# Altium PCB VFD-Clock.PcbDoc (part 2 of 2)
Units mm, origin at the board's own origin, x right, y up, seen from the top; angles counter-clockwise.
Board outline 190 x 65 mm, 2 copper layers (Top Layer, Bottom Layer); 129 components, 178 nets, 743 pads, 391 vias.
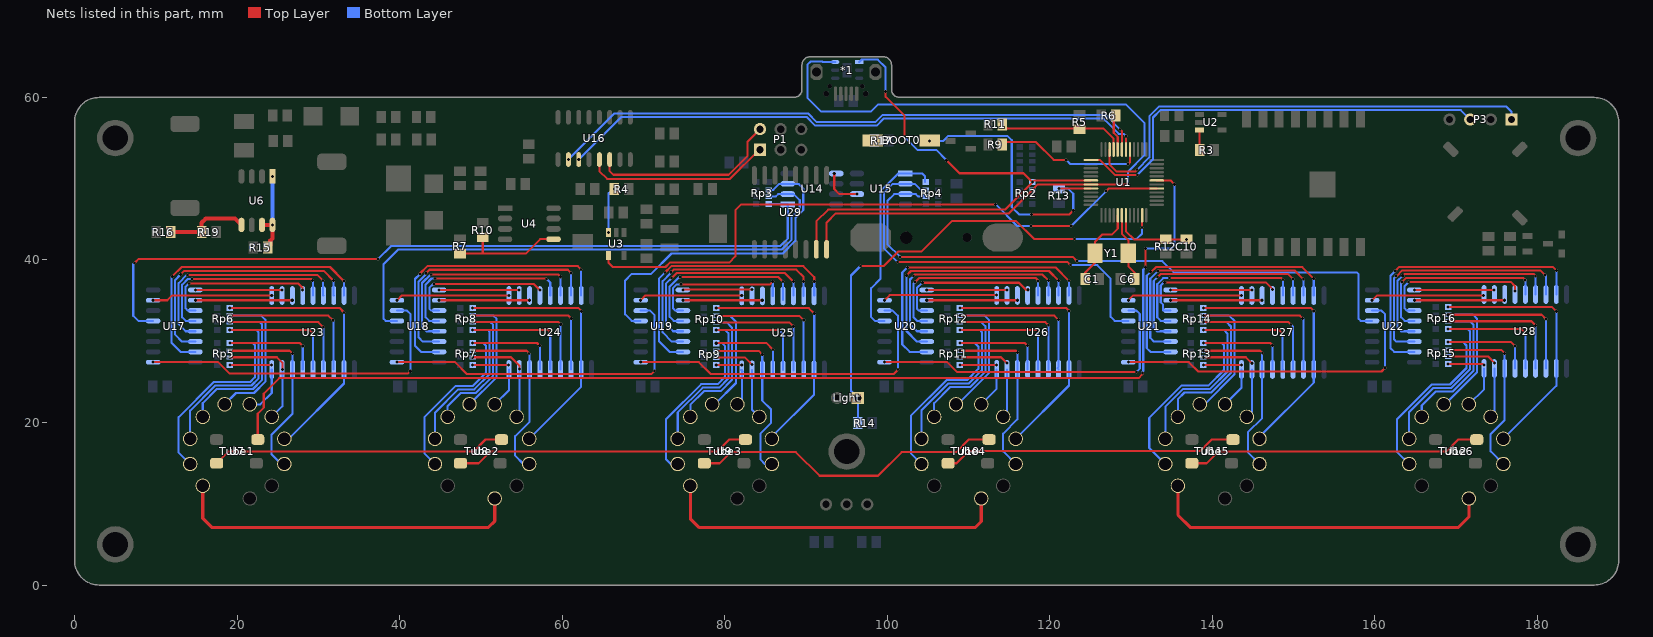
[diagram p2: the nets of this part, all layers, seen from the top]

## Via types
v1: diameter 0.381, hole 0.381, Top Layer to Bottom Layer, 285 vias
v2: diameter 0.635, hole 0.508, Top Layer to Bottom Layer, 58 vias
v3: diameter 0.508, hole 0.381, Top Layer to Bottom Layer, 42 vias
v4: diameter 0.508, hole 0.508, Top Layer to Bottom Layer, 5 vias
v5: diameter 0.635, hole 0.635, Top Layer to Bottom Layer, 1 vias

## Nets (pads, with @x,y where several pads share a name; then routed paths per layer and width w, separated by ;. In a path a pad name is that pad's centre, name@x,y a point inside that pad or via, vN(x,y) a via of type N, cw(c..) or ccw(c..) an arc to the next point about the centre after c; other vN are vias at no path point) (continued)
NetR3_1: R3.1 U2.3 | length 2.5
  Top Layer w0.254: U2.3@138.405,55.982 138.405,53.542 R3.1@138.429,53.518
NetR4_1: R4.1 U3.3 | length 5.9
  Bottom Layer w0.254: v3(65.701,43.371) 65.701,48.213 v3@66.421,48.934
  other v3: 66.421,48.731
NetR7_1: R7.1 R10.2 U4.5 | length 14.3
  Top Layer w0.254: R7.1@47.423,40.779 50.217,40.779 ; R10.2@50.217,42.794 50.217,40.779 ; U4.5@58.932,42.555 57.274,42.555 55.499,40.779 50.217,40.779
NetR13_2: BOOT0.2 R13.2 U1.44 | length 35
  Top Layer w0.254: v1(117.729,45.593) 122.377,45.593 v1(122.885,46.101) ; v1(121.134,48.782) 121.145,48.793 U1.44@125.059,48.793
  Bottom Layer w0.254: v3(105.181,54.635) 106.866,54.635 107.502,55.271 114.782,55.271 115.316,54.737 115.316,46.507 116.23,45.593 v1(117.729,45.593) ; v1(121.134,48.782) 122.249,48.782 122.885,48.146 v1(122.885,46.101)
NetR15_1: R15.1 U6.1 U6.7 U6.8 | length 10.3
  Top Layer w0.254: U6.8@24.334,43.932 v3(24.334,44.311)
  Top Layer w0.508: U6.7@23.064,44.311 v3(24.334,44.311) ; R15.1@23.75,41.528 24.076,41.854 24.076,42.401 24.334,42.659 U6.8@24.334,43.932
  Bottom Layer w0.508: v3(24.334,44.311) v3(24.334,50.283)
NetR16_1: R16.1 R19.2 U6.5 | length 10.4
  Top Layer w0.508: R16.1@11.812,43.434 R19.2@15.62,43.434 15.62,44.576 16.139,45.095 19.741,45.095 U6.5@20.524,44.311
NetR17_1: BOOT0.1 R17.1
  other v1: 98.552,54.635
NetTube1_11: Tube1.11 Tube2.1 | length 43.5
  Top Layer w0.381: Tube1.11@15.764,12.201 15.764,8.203 16.867,7.1 50.929,7.1 51.691,7.862 Tube2.1@51.691,10.648
NetTube3_11: Tube3.11 Tube4.1 | length 43.4
  Top Layer w0.381: Tube3.11@75.764,12.201 75.764,8.147 76.811,7.1 110.847,7.1 111.559,7.812 Tube4.1@111.559,10.648
NetTube5_11: Tube5.11 Tube6.1 | length 42.8
  Top Layer w0.381: Tube5.11@135.764,12.201 135.764,8.599 137.263,7.1 170.283,7.1 171.559,8.376 Tube6.1@171.559,10.648
NetU7_2: U7.2 U8.4 | length 36.3
  Top Layer w0.254: U7.2@17.479,14.984 18.917,16.422 49.074,16.422 50.557,17.905 U8.4@52.534,17.905
NetU8_2: U8.2 U9.4 | length 36.3
  Top Layer w0.254: U8.2@47.479,14.984 49.719,14.984 51.157,16.422 79.046,16.422 80.529,17.905 U9.4@82.534,17.905
NetU9_2: U9.2 U10.4 | length 38.7
  Top Layer w0.254: U9.2@77.479,14.984 79.36,14.984 80.734,16.358 88.758,16.358 91.665,13.45 98.855,13.45 101.763,16.358 108.471,16.358 110.018,17.905 U10.4@112.534,17.905
NetU10_2: U10.2 U11.4 | length 36.3
  Top Layer w0.254: U10.2@107.479,14.984 108.52,14.984 110.009,16.473 138.482,16.473 139.914,17.905 U11.4@142.534,17.905
NetU11_2: U11.2 U12.4 | length 36.3
  Top Layer w0.254: U11.2@137.479,14.984 139.288,14.984 140.726,16.422 168.759,16.422 170.242,17.905 U12.4@172.534,17.905
NetU14_5: U14.5 U15.6 | length 5
  Top Layer w0.254: v1(93.473,50.643) 93.473,48.731 94.101,48.103 v1(96.264,48.103)
NetU17_1: U17.1 U23.2 | length 10.6
  Top Layer w0.254: v1(14.857,36.31) v1(25.503,36.31)
NetU17_2: U17.2 U23.3 | length 11.9
  Top Layer w0.254: v1(14.857,35.04) v1(26.773,35.04)
NetU17_3: U17.3 U23.4 | length 19
  Top Layer w0.254: v1(14.073,37.123) 27.484,37.123 28.043,36.564 v1(28.043,36.31)
  Bottom Layer w0.254: v1(14.073,37.123) 13.652,36.702 13.652,34.049 13.931,33.77 U17.3@14.857,33.77
NetU17_4: U17.4 U23.5 | length 24.1
  Top Layer w0.254: v1(14.428,37.656) 29.084,37.656 v1(29.287,37.453)
  Bottom Layer w0.254: v1(14.428,37.656) 13.906,37.656 13.22,36.97 13.22,32.933 13.653,32.5 U17.4@14.857,32.5 ; v1(29.287,37.453) 29.338,37.402 U23.5@29.338,35.628
NetU17_5: U17.5 U23.6 | length 27.8
  Top Layer w0.254: v1(13.895,38.164) 29.872,38.164 v1(30.583,37.453)
  Bottom Layer w0.254: v1(13.895,38.164) 13.803,38.164 12.788,37.149 12.788,32.094 13.653,31.23 U17.5@14.857,31.23 ; v1(30.583,37.453) 30.583,35.653 U23.6@30.608,35.628
NetU17_6: U17.6 U23.7 | length 31.9
  Top Layer w0.254: v1(13.057,38.215) 13.057,38.24 13.476,38.659 30.646,38.659 v1(31.853,37.453)
  Bottom Layer w0.254: v1(13.057,38.215) 13.031,38.215 12.356,37.54 12.356,30.813 13.209,29.96 U17.6@14.857,29.96 ; v1(31.853,37.453) 31.853,35.704 31.904,35.653 U23.7@31.878,35.628
NetU17_7: U17.7 U23.8 | length 35.7
  Top Layer w0.254: v1(12.015,37.986) 13.158,39.129 31.421,39.129 v1(33.136,37.415)
  Bottom Layer w0.254: v1(12.015,37.986) 11.924,37.895 11.924,29.797 13.031,28.69 U17.7@14.857,28.69 ; v1(33.136,37.415) 33.136,35.64 U23.8@33.148,35.628
NetU17_15: U17.15 U23.1 | length 14.9
  Top Layer w0.254: v1(9.656,35.04) 11.406,35.04 12.015,35.65 v1(24.258,35.65)
NetU18_1: U18.1 U24.2 | length 9.8
  Top Layer w0.254: v1(44.856,36.31) v1(54.687,36.31)
NetU18_2: U18.2 U24.3 | length 11.1
  Top Layer w0.254: v1(44.856,35.04) v1(55.957,35.04)
NetU18_3: U18.3 U24.4 | length 18
  Top Layer w0.254: v1(44.223,37.047) 56.516,37.047 v1(57.253,36.31)
  Bottom Layer w0.254: v1(44.223,37.047) 44.138,37.047 43.652,36.56 43.652,33.985 43.867,33.77 U18.3@44.856,33.77
NetU18_4: U18.4 U24.5 | length 23.4
  Top Layer w0.254: v1(44.337,37.72) 58.028,37.72 v1(58.066,37.682)
  Bottom Layer w0.254: v1(44.337,37.72) 43.916,37.72 43.181,36.985 43.181,32.932 43.613,32.5 U18.4@44.856,32.5 ; v1(58.066,37.682) 58.523,37.224 U24.5@58.523,35.628
NetU18_5: U18.5 U24.6 | length 27.6
  Top Layer w0.254: v1(43.834,38.215) 59.488,38.215 v1(59.767,37.936)
  Bottom Layer w0.254: v1(43.834,38.215) 43.801,38.215 42.749,37.164 42.749,31.763 43.283,31.23 U18.5@44.856,31.23 ; v1(59.767,37.936) 59.793,37.91 U24.6@59.793,35.628
NetU18_6: U18.6 U24.7 | length 32
  Top Layer w0.254: v1(43.232,38.365) 43.666,38.799 60.682,38.799 v1(61.063,38.418)
  Bottom Layer w0.254: v1(43.232,38.365) 43.232,38.257 42.318,37.343 42.318,30.468 42.826,29.96 U18.6@44.856,29.96 ; U24.7@61.063,35.628 v1(61.063,38.418)
NetU18_7: U18.7 U24.8 | length 36
  Top Layer w0.254: v1(42.495,38.266) 42.495,38.329 43.397,39.231 61.926,39.231 v1(62.333,38.825)
  Bottom Layer w0.254: v1(42.495,38.266) 41.886,37.656 41.886,29.427 42.622,28.69 U18.7@44.856,28.69 ; U24.8@62.333,35.628 v1(62.333,38.825)
NetU18_15: U18.15 U24.1 | length 14
  Top Layer w0.254: v1(39.676,35.04) 40.286,35.65 v1(53.443,35.65)
NetU19_1: U19.1 U25.2 | length 8.5
  Top Layer w0.254: v1(74.856,36.31) 74.933,36.386 v1(83.339,36.386)
NetU19_2: U19.2 U25.3 | length 9.8
  Top Layer w0.254: v1(74.856,35.04) v1(84.609,35.04)
NetU19_3: U19.3 U25.4 | length 18
  Top Layer w0.254: v1(74.625,37.008) 85.586,37.008 v1@85.879,37.301
  Bottom Layer w0.254: v1(74.625,37.008) 74.099,37.008 73.652,36.56 73.652,34.033 73.915,33.77 U19.3@74.856,33.77 ; U25.4@85.904,35.577 v1@85.904,37.224
  other v1: 85.904,37.351
NetU19_4: U19.4 U25.5 | length 22.5
  Top Layer w0.254: v1(74.525,37.885) 86.615,37.885 v1(87.149,37.351)
  Bottom Layer w0.254: v1(74.525,37.885) 74.365,37.885 73.22,36.739 73.22,32.992 73.712,32.5 U19.4@74.856,32.5 ; U25.5@87.149,35.069 v1(87.149,37.351)
NetU19_5: U19.5 U25.6 | length 25.7
  Top Layer w0.254: v1(73.458,37.783) 74.055,38.38 87.415,38.38 v1(88.444,37.351)
  Bottom Layer w0.254: v1(73.458,37.783) 72.788,37.113 72.788,32.094 73.653,31.23 U19.5@74.856,31.23 ; U25.6@88.444,35.602 v1@88.444,37.275
NetU19_6: U19.6 U25.7 | length 29.9
  Top Layer w0.254: v1(73.382,38.494) 73.699,38.812 88.8,38.812 89.689,37.923 v1(89.689,37.351)
  Bottom Layer w0.254: v1(73.382,38.494) 73.382,38.407 72.356,37.382 72.356,31.087 73.483,29.96 U19.6@74.856,29.96 ; U25.7@89.689,35.577 v1@89.689,37.275
NetU19_7: U19.7 U25.8 | length 33.7
  Top Layer w0.254: v1(72.645,38.444) 72.645,38.458 73.431,39.244 89.66,39.244 91.009,37.894 v1(91.009,37.351)
  Bottom Layer w0.254: v1@72.62,38.494 72.62,38.433 71.924,37.737 71.924,29.969 73.204,28.69 U19.7@74.856,28.69 ; U25.8@91.009,35.628 v1@91.009,37.25
NetU19_15: U19.15 U25.1 | length 12.7
  Top Layer w0.254: v1(69.648,35.04) 70.232,35.624 v1(82.094,35.624)
NetU20_1: U20.1 U26.2 | length 9.9
  Top Layer w0.254: v1(104.856,36.31) v1(114.733,36.31)
NetU20_2: U20.2 U26.3 | length 11.1
  Top Layer w0.254: v1(104.856,35.04) v1(116.003,35.04)
NetU20_3: U20.3 U26.4 | length 18.1
  Top Layer w0.254: v1(104.319,37.199) 116.205,37.199 117.069,36.335 v1(117.298,36.335)
  Bottom Layer w0.254: v1(104.319,37.199) 104.29,37.199 103.652,36.56 103.652,33.98 103.862,33.77 U20.3@104.856,33.77
NetU20_4: U20.4 U26.5 | length 23.6
  Top Layer w0.254: v1(103.405,37.275) 103.913,37.783 118.264,37.783 118.543,37.504 v1(118.543,37.402)
  Bottom Layer w0.254: v1(103.405,37.275) 103.22,37.09 103.22,32.933 103.653,32.5 U20.4@104.856,32.5 ; U26.5@118.543,35.631 v1(118.543,37.402)
NetU20_5: U20.5 U26.6 | length 27.4
  Top Layer w0.254: v1(103.201,38.012) 103.405,38.215 119.081,38.215 v1(119.843,37.453)
  Bottom Layer w0.254: v1(103.201,38.012) 102.788,37.598 102.788,32.094 103.653,31.23 U20.5@104.856,31.23 ; v1@119.779,37.415 v1@119.805,37.389 ; U26.6@119.813,35.631 119.843,35.661 v1(119.843,37.453)
NetU20_6: U20.6 U26.7 | length 31.2
  Top Layer w0.254: v1(102.389,38.113) 102.922,38.647 119.898,38.647 v1(121.091,37.453)
  Bottom Layer w0.254: v1(102.389,38.113) 102.356,38.081 102.356,31.256 103.653,29.96 U20.6@104.856,29.96 ; v1@121.028,37.44 v1@121.079,37.389 ; U26.7@121.083,35.631 121.083,37.444 v1(121.091,37.453)
NetU20_7: U20.7 U26.8 | length 35.6
  Top Layer w0.254: v1(102.465,39.079) 120.715,39.079 v1(122.34,37.453)
  Bottom Layer w0.254: v1(102.465,39.079) 101.843,38.456 101.843,29.592 102.744,28.69 U20.7@104.856,28.69 ; v1@122.277,37.466 v1@122.34,37.402 ; v1(122.34,37.453) v1@122.34,37.402 ; U26.8@122.353,35.631 122.34,35.644 v1@122.34,37.402
NetU20_15: U20.15 U26.1 | length 14
  Top Layer w0.254: v1(99.656,35.04) 100.291,35.675 v1(113.42,35.675)
NetU21_1: U21.1 U27.2 | length 10
  Top Layer w0.254: v1(134.856,36.31) v1(144.857,36.31)
NetU21_2: U21.2 U27.3 | length 11.3
  Top Layer w0.254: v1(134.856,35.04) v1(146.127,35.04)
NetU21_3: U21.3 U27.4 | length 18.4
  Top Layer w0.254: v1(134.139,37.25) 146.559,37.25 v1(147.423,36.386)
  Bottom Layer w0.254: v1(134.139,37.25) 134.049,37.25 133.652,36.853 133.652,34.789 133.935,34.506 133.935,33.77 U21.3@134.856,33.77
NetU21_4: U21.4 U27.5 | length 23.6
  Top Layer w0.254: v1(134.723,37.758) 148.49,37.758 v1@148.591,37.656
  Bottom Layer w0.254: v1(134.723,37.758) 133.946,37.758 133.22,37.031 133.22,32.933 133.653,32.5 U21.4@134.856,32.5 ; U27.5@148.667,35.628 v1(148.667,37.58)
NetU21_5: U21.5 U27.6 | length 27.8
  Top Layer w0.254: v1(133.25,37.885) 133.618,38.253 149.328,38.253 v1(149.937,37.643)
  Bottom Layer w0.254: v1(133.25,37.885) 132.788,37.423 132.788,31.611 133.17,31.23 U21.5@134.856,31.23 ; U27.6@149.937,35.628 v1(149.937,37.643)
NetU21_6: U21.6 U27.7 | length 31.7
  Top Layer w0.254: v1(133.275,38.621) 133.339,38.685 150.166,38.685 v1(151.207,37.643)
  Bottom Layer w0.254: v1(133.275,38.621) 133.275,38.611 132.356,37.692 132.356,30.421 132.818,29.96 U21.6@134.856,29.96 ; U27.7@151.207,35.628 v1(151.207,37.643)
NetU21_7: U21.7 U27.8 | length 35.7
  Top Layer w0.254: v1(132.411,38.545) 132.498,38.545 133.07,39.117 151.068,39.117 v1(152.477,37.707)
  Bottom Layer w0.254: v1(132.411,38.545) 131.924,38.058 131.924,29.151 132.386,28.69 U21.7@134.856,28.69 ; U27.8@152.477,35.628 v1(152.477,37.707)
NetU21_15: U21.15 U27.1 | length 14.2
  Top Layer w0.254: v1(129.656,35.04) 130.266,35.65 v1(143.562,35.65)
NetU22_1: U22.1 U28.2 | length 9.8
  Top Layer w0.254: v1(164.856,36.31) v1(174.677,36.31)
NetU22_2: U22.2 U28.3 | length 11.1
  Top Layer w0.254: v1(164.856,35.04) v1(175.972,35.04)
NetU22_3: U22.3 U28.4 | length 18.7
  Top Layer w0.254: v1(164.136,37.301) 176.709,37.301 177.217,36.793 v1(177.217,36.158)
  Bottom Layer w0.254: v1(164.136,37.301) 164.136,37.275 163.652,36.791 163.652,34.051 163.933,33.77 U22.3@164.856,33.77
NetU22_4: U22.4 U28.5 | length 23.5
  Top Layer w0.254: v1(163.349,37.301) 163.363,37.301 163.859,37.796 178.246,37.796 v1(178.487,37.555)
  Bottom Layer w0.254: v1(163.349,37.301) 163.22,37.172 163.22,32.933 163.653,32.5 U22.4@164.856,32.5 ; v1(178.487,37.555) 178.512,37.529 U28.5@178.512,35.751
NetU22_5: U22.5 U28.6 | length 27.7
  Top Layer w0.254: v1(163.425,38.063) 163.653,38.291 179.528,38.291 v1(179.782,38.037)
  Bottom Layer w0.254: v1(163.425,38.063) 163.41,38.063 162.788,37.44 162.788,31.689 163.247,31.23 U22.5@164.856,31.23 ; U28.6@179.782,35.751 v1(179.782,38.037)
NetU22_6: U22.6 U28.7 | length 31.8
  Top Layer w0.254: v1(162.612,38.012) 162.674,38.012 163.385,38.723 180.367,38.723 v1(180.925,38.164)
  Bottom Layer w0.254: v1(162.612,38.012) 162.356,37.756 162.356,30.241 162.637,29.96 U22.6@164.856,29.96 ; v1(180.925,38.164) 181.052,38.037 U28.7@181.052,35.751
NetU22_7: U22.7 U28.8 | length 36.1
  Top Layer w0.254: v1(162.51,38.647) 163.018,39.155 181.891,39.155 v1(182.322,38.723)
  Bottom Layer w0.254: v1(162.51,38.647) 162.496,38.647 161.924,38.075 161.924,29.123 162.358,28.69 U22.7@164.856,28.69 ; U28.8@182.322,35.751 v1(182.322,38.723)
NetU22_15: U22.15 U28.1 | length 14
  Top Layer w0.254: v1(159.656,35.04) 160.266,35.65 v1(173.382,35.65)
NRST: C10.2 R12.1 U1.7 | length 10
  Top Layer w0.254: U1.7@129.359,45.493 129.359,43.528 130.353,42.534 R12.1@134.266,42.534 v3(136.831,42.534)
  Bottom Layer w0.254: v3@136.755,42.61 v3(136.831,42.534)
OE1: Rp3.4 U14.1 U17.13 | length 97.4
  Top Layer w0.254: v1(7.366,39.624) 7.874,40.132 v1(37.338,40.132)
  Bottom Layer w0.254: v1(7.366,39.624) 7.215,39.473 7.215,33.135 7.85,32.5 U17.13@9.656,32.5 ; v1(37.338,40.132) 37.351,40.132 38.939,41.72 86.843,41.72 87.749,42.627 U14.1@87.749,46.833 87.709,46.872 Rp3.4@85.46,46.872
OE2: Rp3.3 U14.2 U18.13 | length 69.4
  Bottom Layer w0.254: U18.13@39.656,32.5 38.279,32.5 38,32.779 38,39.46 39.828,41.288 87.022,41.288 88.227,42.494 88.227,45.307 89.224,46.304 89.224,47.351 88.473,48.103 U14.2@87.749,48.103 86.571,48.103 86.291,47.823 Rp3.3@85.46,47.823
OE3: Rp3.2 U14.3 U19.13 | length 41
  Bottom Layer w0.254: U19.13@69.656,32.5 68.556,32.5 67.743,33.313 67.743,37.478 68.556,38.291 70.943,38.291 73.445,40.792 87.136,40.792 88.697,42.353 88.697,45.166 89.656,46.125 89.656,48.788 89.072,49.373 U14.3@87.749,49.373 86.724,49.373 85.974,48.623 Rp3.2@85.46,48.623
OE4: Rp4.4 U15.1 U20.13 | length 25.1
  Bottom Layer w0.254: U20.13@99.656,32.5 98.477,32.5 98.019,32.958 98.019,36.537 99.137,37.656 99.137,48.452 101.328,50.643 U15.1@102.236,50.643 104.312,50.643 104.641,50.313 Rp4.4@104.641,49.573
OE5: Rp4.3 U15.2 U21.13 | length 49.2
  Top Layer w0.254: v1(101.246,39.764) 122.124,39.764 v1(122.531,39.358)
  Bottom Layer w0.254: v1(101.246,39.764) 99.569,41.441 99.569,48.273 100.668,49.373 U15.2@102.236,49.373 103.372,49.373 104.122,48.623 Rp4.3@104.641,48.623 ; v1(122.531,39.358) 125.834,39.358 127.49,37.701 127.49,33.002 127.992,32.5 U21.13@129.656,32.5
OE6: Rp4.2 U15.3 U22.13 | length 77
  Top Layer w0.254: v1(101.576,40.374) 122.835,40.374 v1(123.343,39.866)
  Bottom Layer w0.254: v1(101.576,40.374) 100.001,41.949 100.001,47.257 100.846,48.103 U15.3@102.236,48.103 103.499,48.103 103.779,47.823 Rp4.2@104.641,47.823 ; v1@123.52,39.866 133.842,39.866 135.239,38.469 157.756,38.469 157.998,38.227 157.998,32.745 158.243,32.5 U22.13@159.656,32.5
OSC-1: C1.1 U1.5 Y1.2 | length 10.5
  Top Layer w0.254: C1.1@124.333,37.377 124.333,37.707 124.333,38.442 125.561,39.67 Y1.2@125.561,40.831 125.561,42.261 126.417,43.117 127.623,43.117 128.359,43.854 U1.5@128.359,45.493
OSC-2: C6.1 U1.6 Y1.1 | length 8.9
  Top Layer w0.254: U1.6@128.859,45.493 128.859,43.24 129.661,42.439 Y1.1@129.661,40.831 129.661,39.213 130.457,38.417 C6.1@130.457,37.631 C6.1@130.457,37.301
PhotoReg: Light.1 R14.1 U1.11 | length 60.4
  Top Layer w0.254: v1(96.699,39.256) 99.544,39.256 101.322,41.034 104.19,41.034 107.972,44.816 115.826,44.816 118.046,42.596 v1(123.026,42.596) ; v1(131.345,44.006) 131.359,44.021 U1.11@131.359,45.493
  Bottom Layer w0.254: R14.1@96.369,20.08 96.369,23.037 95.529,23.876 95.529,38.087 v1(96.699,39.256) ; v1(123.026,42.596) 130.697,42.596 131.345,43.244 v1(131.345,44.006)
PWR: U1.17 U3.4 | length 78.1
  Top Layer w0.254: U3.4@65.701,40.571 65.701,39.622 66.194,39.129 72.706,39.129 73.252,39.675 80.544,39.675 81.305,40.437 81.305,46.126 82.017,46.838 v1(113.335,46.838) ; v1(117.705,44.184) v1(122.632,44.184) ; v1(126.925,48.477) 127.242,48.793 U1.17@133.159,48.793
  Bottom Layer w0.254: v1(113.335,46.838) 115.988,44.184 v1(117.705,44.184) ; v1(122.632,44.184) v1(126.925,48.477)
QH1: U17.9 U18.14 | length 41.2
  Top Layer w0.254: v1(9.656,27.42) 17.654,27.42 19.064,26.01 41.01,26.01 v1(41.302,26.302)
  Bottom Layer w0.254: U18.14@39.656,33.77 40.895,33.77 41.302,33.364 v1(41.302,26.302)
QH2: U18.9 U19.14 | length 41.3
  Top Layer w0.254: v1(39.656,27.42) 46.813,27.42 48.287,25.947 70.969,25.947 v1(71.375,26.353)
  Bottom Layer w0.254: U19.14@69.656,33.77 70.816,33.77 71.375,33.211 v1(71.375,26.353)
QH3: U19.9 U20.14 | length 41
  Top Layer w0.254: v1(69.656,27.42) 76.811,27.42 78.259,25.972 100.814,25.972 101.296,26.455 v1(101.296,26.506)
  Bottom Layer w0.254: U20.14@99.656,33.77 100.661,33.77 101.296,33.135 v1(101.296,26.506)
QH4: U20.9 U21.14 | length 40.4
  Top Layer w0.254: v1(99.656,27.42) 107.367,27.42 108.586,26.201 v1@130.659,26.201
  Bottom Layer w0.254: U21.14@129.656,33.77 130.659,33.77 131.061,33.368 131.061,26.628 v1(130.659,26.226)
QH5: U21.9 U22.14 | length 40.6
  Top Layer w0.254: v1(129.656,27.42) 137.11,27.42 138.253,26.277 160.809,26.277 v1(161.266,26.734)
  Bottom Layer w0.254: U22.14@159.656,33.77 160.809,33.77 161.266,33.313 v1(161.266,26.734)
RGB: U1.19 U7.4 | length 144.4
  Top Layer w0.254: U7.4@22.534,17.905 22.534,21.098 23.268,21.832 23.268,23.559 25.173,25.464 130.938,25.464 131.395,25.921 v1(131.395,26.074) ; v1(131.776,39.104) v1(131.776,41.39) ; U1.19@133.159,49.793 134.854,49.793 v1(135.332,49.315)
  Bottom Layer w0.254: v1(131.395,26.074) 131.319,26.15 131.493,26.323 131.493,38.82 v1(131.776,39.104) ; v1(131.776,41.39) 134.955,41.39 135.332,41.767 v1(135.332,49.315)
RX1: U1.31 U16.2 | length 74.3
  Top Layer w0.254: v1@128.616,56.101 128.859,55.857 U1.31@128.859,53.593
  Bottom Layer w0.254: v1(60.758,52.358) 66.423,58.022 90.265,58.022 91.32,56.968 98.525,56.968 99.417,57.859 126.858,57.859 v1@128.616,56.101
  other v1: 128.616,56.075
SCL: *1.6 Rp2.2 U1.43 U29.16 | length 101.9
  Top Layer w0.254: U29.16@92.533,41.31 92.533,44.612 93.655,45.733 114.976,45.733 v1(117.865,48.623) 118.536,49.293 U1.43@125.059,49.293 125.064,49.298 129.618,49.298 v1(129.635,49.315)
  Bottom Layer w0.254: *1.6@93.595,64.364 92.064,64.364 92.004,64.424 90.586,64.424 90.17,64.008 90.17,59.949 91.828,58.291 98.017,58.291 98.88,59.154 129.334,59.154 131.623,56.865 131.623,52.868 129.635,50.88 v1(129.635,49.315)
SDA: *1.1 Rp2.1 U1.42 U29.15 | length 70.6
  Top Layer w0.254: U29.15@91.263,41.31 91.263,44.743 92.711,46.191 114.483,46.191 v1(117.865,49.573) ; v1(99.797,60.731) 99.797,60.072 102.133,57.735 v1(102.133,55.118) ; v1(107.29,52.273) 108.89,50.673 116.765,50.673 v1(117.865,49.573) ; U1.42@125.059,49.793 118.086,49.793 v1(117.865,49.573)
  Bottom Layer w0.254: *1.1@96.545,64.364 96.825,64.643 98.834,64.643 99.797,63.68 v1(99.797,60.731) ; v1(102.133,55.118) 103.708,53.543 106.02,53.543 v1(107.29,52.273)
SWCLK: P3.3 U1.37 | length 54.3
  Top Layer w0.254: U1.37@125.059,52.293 126.182,52.293 128.043,50.432 v1(130.783,50.432)
  Bottom Layer w0.254: v1(130.783,50.432) 130.783,50.466 132.69,52.372 132.69,57.53 133.6,58.44 170.581,58.44 P3.3@171.731,57.29
SWDIO: P3.1 U1.34 | length 59.2
  Top Layer w0.254: U1.34@127.359,53.593 127.359,51.726 128.221,50.864 130.481,50.864 v1(130.735,51.118)
  Bottom Layer w0.254: v1(130.735,51.118) 132.258,52.641 132.258,57.709 133.421,58.872 176.194,58.872 176.811,58.256 P3.1@176.811,57.29
T1-1: Rp5.8 Tube1.6 U23.18 | length 11.5
  Top Layer w0.254: v1(19.093,27.082) v1(24.225,27.082)
  Bottom Layer w0.254: Tube1.6@21.718,22.399 Tube1.6@21.559,22.24 22.862,22.24 24.258,23.635 U23.18@24.258,26.528
T1-2: Rp5.7 Tube1.5 U23.17 | length 14
  Top Layer w0.254: v1(19.093,28.032) 24.891,28.032 25.554,27.369 v1(25.554,26.506)
  Bottom Layer w0.254: Tube1.5@24.249,20.687 25.554,21.991 v1(25.554,26.506)
T1-3: Rp5.6 Tube1.3 U23.16 | length 23.4
  Top Layer w0.254: v1(19.093,28.832) 26.453,28.832 v1(26.798,28.487)
  Bottom Layer w0.254: Tube1.3@25.802,14.891 25.417,14.891 24.225,16.083 24.225,18.471 26.798,21.045 U23.16@26.798,26.528 v1(26.798,28.487)
T1-4: Rp5.5 Tube1.10 U23.15 | length 36.9
  Top Layer w0.254: v1(19.093,29.782) 27.687,29.782 v1(28.068,29.401)
  Bottom Layer w0.254: Tube1.10@14.211,14.891 12.803,16.299 12.803,20.665 17.12,24.982 21.589,24.982 22.175,25.568 22.175,29.528 21.921,29.782 v1(19.093,29.782) ; U23.15@28.068,26.528 v1(28.068,29.401)
T1-5: Rp6.8 Tube1.9 U23.14 | length 37.7
  Top Layer w0.254: v1(19.085,31.404) 28.885,31.404 v1(29.338,30.951)
  Bottom Layer w0.254: Tube1.9@14.211,17.997 14.211,21.462 17.299,24.55 21.768,24.55 22.607,25.389 22.607,31.128 22.332,31.404 v1(19.085,31.404) ; U23.14@29.338,26.528 v1(29.338,30.951)
T1-6: Rp6.7 Tube1.8 U23.13 | length 38.1
  Top Layer w0.254: v1(19.085,32.354) 29.992,32.354 v1(30.608,31.738)
  Bottom Layer w0.254: Tube1.8@15.764,20.687 15.764,22.38 17.502,24.118 21.947,24.118 23.039,25.21 23.039,32.119 22.804,32.354 v1(19.085,32.354) ; U23.13@30.608,26.528 v1(30.608,31.738)
T1-7: Rp6.6 Tube1.7 U23.12 | length 37.4
  Top Layer w0.254: v1(19.085,33.154) 31.224,33.154 v1(31.802,32.576)
  Bottom Layer w0.254: Tube1.7@18.453,22.24 19.849,23.635 22.075,23.635 23.471,25.031 23.471,32.646 22.963,33.154 v1(19.085,33.154) ; v1(31.802,32.576) 31.878,32.5 U23.12@31.878,26.528
T1-8: Rp6.5 Tube1.4 U23.11 | length 33.2
  Top Layer w0.254: v1(19.085,34.104) 32.586,34.104 v1(33.148,33.541)
  Bottom Layer w0.254: Tube1.4@25.802,17.997 26.34,17.997 33.148,24.805 U23.11@33.148,26.528 v1(33.148,33.541)
T2-1: Rp7.8 Tube2.6 U24.18 | length 9.4
  Top Layer w0.254: v1(48.98,27.082) v1(53.41,27.082)
  Bottom Layer w0.254: Tube2.6@51.691,22.24 53.443,23.991 U24.18@53.443,26.528
T2-2: Rp7.7 Tube2.5 U24.17 | length 12.7
  Top Layer w0.254: v1(48.98,28.032) 53.697,28.032 54.738,26.991 v1(54.738,26.607)
  Bottom Layer w0.254: Tube2.5@53.976,21.091 Tube2.5@54.381,20.687 ; Tube2.5@54.738,21.091 v1(54.738,26.607)
T2-3: Rp7.6 Tube2.3 U24.16 | length 22.6
  Top Layer w0.254: v1(48.98,28.832) 55.612,28.832 v1(55.932,28.512)
  Bottom Layer w0.254: v1(55.932,28.512) 55.983,28.461 U24.16@55.983,26.528 55.983,20.103 54.205,18.325 54.205,15.926 55.239,14.891 Tube2.3@55.934,14.891
T2-4: Rp7.5 Tube2.10 U24.15 | length 32.6
  Top Layer w0.254: v1(48.98,29.782) 56.897,29.782 v1(57.227,29.452)
  Bottom Layer w0.254: Tube2.10@44.343,14.891 43.029,16.205 43.029,20.638 46.89,24.499 49.013,24.499 50.623,26.11 50.623,29.427 50.268,29.782 v1(48.98,29.782) ; v1(57.227,29.452) 57.253,29.427 U24.15@57.253,26.528
T2-5: Rp8.8 Tube2.9 U24.14 | length 33.5
  Top Layer w0.254: v1(48.98,31.404) 58.196,31.404 v1(58.523,31.078)
  Bottom Layer w0.254: Tube2.9@44.343,17.997 44.343,21.215 47.194,24.067 49.192,24.067 51.055,25.931 51.055,31.189 50.84,31.404 v1(48.98,31.404) ; U24.14@58.523,26.528 v1(58.523,31.078)
T2-6: Rp8.7 Tube2.8 U24.13 | length 33.9
  Top Layer w0.254: v1(48.98,32.354) 59.558,32.354 v1(59.818,32.094)
  Bottom Layer w0.254: Tube2.8@45.896,20.687 45.896,22.032 47.499,23.635 49.37,23.635 51.487,25.752 51.487,32.017 51.15,32.354 v1(48.98,32.354) ; U24.13@59.793,26.528 59.793,32.068 v1(59.818,32.094)
T2-7: Rp8.6 Tube2.7 U24.12 | length 33.6
  Top Layer w0.254: v1(48.98,33.154) 60.764,33.154 v1(61.114,32.805)
  Bottom Layer w0.254: Tube2.7@48.585,22.24 51.919,25.573 51.919,32.748 51.512,33.154 v1(48.98,33.154) ; U24.12@61.063,26.528 61.063,32.754 v1(61.114,32.805)
T2-8: Rp8.5 Tube2.4 U24.11 | length 31.9
  Top Layer w0.254: v1(48.98,34.104) 61.973,34.104 v1(62.384,33.694)
  Bottom Layer w0.254: Tube2.4@55.934,17.997 62.333,24.396 U24.11@62.333,26.528 62.333,33.643 v1(62.384,33.694)
T3-1: Rp9.8 Tube3.6 U25.18 | length 7.9
  Top Layer w0.254: v1(78.951,27.057) v1(82.094,27.057)
  Bottom Layer w0.254: Tube3.6@81.559,22.24 82.094,22.774 U25.18@82.094,26.401 ; U25.18@82.018,26.477 U25.18@82.094,26.401 ; U25.18@82.094,26.477 U25.18@82.094,26.401 ; U25.18@82.221,26.274 U25.18@82.094,26.401
T3-2: Rp9.7 Tube3.5 U25.17 | length 10.9
  Top Layer w0.254: v1(78.951,28.007) 82.472,28.007 v1(83.364,27.115)
  Bottom Layer w0.254: U25.17@83.339,26.477 83.339,21.597 Tube3.5@84.249,20.687
T3-3: Rp9.6 Tube3.3 U25.16 | length 21.4
  Top Layer w0.254: v1(78.951,28.807) 84.162,28.807 v1(84.609,28.36)
  Bottom Layer w0.254: v1(84.609,28.36) 84.609,22.696 85.701,21.603 85.701,19.953 84.405,18.657 84.405,15.428 84.942,14.891 Tube3.3@85.802,14.891
T3-4: Rp9.5 Tube3.10 U25.15 | length 31.2
  Top Layer w0.254: v1(78.951,29.757) 85.142,29.757 v1(85.929,28.969)
  Bottom Layer w0.254: Tube3.10@74.211,14.891 73.338,14.891 72.788,15.441 72.788,20.426 77.089,24.728 79.145,24.728 80.011,25.593 80.011,29.439 79.694,29.757 v1(78.951,29.757) ; U25.15@85.929,26.096 v1(85.929,28.969)
T3-5: Rp10.8 Tube3.9 U25.14 | length 31.3
  Top Layer w0.254: v1(78.951,31.378) 86.67,31.378 v1(86.717,31.332)
  Bottom Layer w0.254: Tube3.9@74.211,17.997 74.211,21.239 77.268,24.296 79.324,24.296 80.443,25.414 80.443,31.001 80.065,31.378 v1(78.951,31.378) ; v1(86.717,31.332) 87.149,30.9 U25.14@87.149,26.477
T3-6: Rp10.7 Tube3.8 U25.13 | length 31.7
  Top Layer w0.254: v1(78.951,32.329) 87.955,32.329 v1(88.444,31.84)
  Bottom Layer w0.254: Tube3.8@75.764,20.687 75.764,22.181 77.447,23.864 79.503,23.864 80.875,25.236 80.875,31.693 80.239,32.329 v1(78.951,32.329) ; U25.13@88.444,26.375 U25.13@88.444,26.477 v1(88.444,31.84)
T3-7: Rp10.6 Tube3.7 U25.12 | length 31.6
  Top Layer w0.254: v1(78.951,33.129) 89.187,33.129 v1(89.714,32.602)
  Bottom Layer w0.254: Tube3.7@78.453,22.24 78.768,22.24 81.383,24.855 81.383,32.392 80.646,33.129 v1(78.951,33.129) ; U25.12@89.714,26.274 U25.12@89.714,26.477 v1(89.714,32.602)
T3-8: Rp10.5 Tube3.4 U25.11 | length 29.9
  Top Layer w0.254: v1(78.951,34.079) 90.345,34.079 v1(91.009,33.414)
  Bottom Layer w0.254: Tube3.4@85.802,17.997 85.802,18.225 90.984,23.407 U25.11@90.984,26.477 ; U25.11@91.009,26.477 v1(91.009,33.414)
T4-1: Rp11.8 Tube4.6 U26.18 | length 9.6
  Top Layer w0.254: v1(108.924,27.082) v1(113.42,27.082)
  Bottom Layer w0.254: Tube4.6@111.559,22.24 113.463,24.143 U26.18@113.463,26.531
T4-2: Rp11.7 Tube4.5 U26.17 | length 12.1
  Top Layer w0.254: v1(108.924,28.032) 113.994,28.032 v1(114.708,27.318)
  Bottom Layer w0.254: Tube4.5@114.249,20.687 114.733,21.171 U26.17@114.733,26.531
T4-3: Rp11.6 Tube4.3 U26.16 | length 22.3
  Top Layer w0.254: v1(108.924,28.832) 115.81,28.832 v1(116.028,28.614)
  Bottom Layer w0.254: Tube4.3@115.802,14.891 114.249,16.444 114.249,18.63 116.003,20.384 U26.16@116.003,26.531 116.003,28.588 v1(116.028,28.614)
T4-4: Rp11.5 Tube4.10 U26.15 | length 33.8
  Top Layer w0.254: v1(108.924,29.782) 116.917,29.782 v1(117.248,29.452)
  Bottom Layer w0.254: Tube4.10@104.211,14.891 102.897,16.205 102.897,20.817 107.315,25.236 109.829,25.236 111.202,26.609 111.202,29.35 110.769,29.782 v1(108.924,29.782) ; v1(117.248,29.452) 117.273,29.427 U26.15@117.273,26.531
T4-5: Rp12.8 Tube4.9 U26.14 | length 34.9
  Top Layer w0.254: v1(108.924,31.404) 118.318,31.404 v1(118.518,31.205)
  Bottom Layer w0.254: Tube4.9@104.211,17.997 104.211,21.521 107.494,24.804 110.008,24.804 111.634,26.43 111.634,31.125 111.355,31.404 v1(108.924,31.404) ; v1(118.518,31.205) 118.543,31.179 U26.14@118.543,26.531
T4-6: Rp12.7 Tube4.8 U26.13 | length 35.1
  Top Layer w0.254: v1(108.924,32.354) 119.451,32.354 v1(119.813,31.992)
  Bottom Layer w0.254: Tube4.8@105.764,20.687 105.764,22.388 107.748,24.372 110.187,24.372 112.065,26.251 112.065,31.865 111.577,32.354 v1(108.924,32.354) ; U26.13@119.813,26.531 v1(119.813,31.992)
T4-7: Rp12.6 Tube4.7 U26.12 | length 34.6
  Top Layer w0.254: v1(108.924,33.154) 120.556,33.154 v1(121.058,32.652)
  Bottom Layer w0.254: Tube4.7@108.453,22.24 108.665,22.24 112.497,26.072 112.497,32.627 111.971,33.154 v1(108.924,33.154) ; v1(121.058,32.652) 121.058,26.81 120.931,26.683 U26.12@121.083,26.531
T4-8: Rp12.5 Tube4.4 U26.11 | length 32
  Top Layer w0.254: v1(108.924,34.104) 121.994,34.104 v1(122.353,33.745)
  Bottom Layer w0.254: Tube4.4@115.802,17.997 122.353,24.548 U26.11@122.353,26.531 v1(122.353,33.745)
T5-1: Rp13.8 Tube5.6 U27.18 | length 9.8
  Top Layer w0.254: v1(138.894,27.082) v1(143.605,27.082)
  Bottom Layer w0.254: Tube5.6@141.559,22.24 143.587,24.268 U27.18@143.587,26.528
T5-2: Rp13.7 Tube5.5 U27.17 | length 12.4
  Top Layer w0.254: v1(138.894,28.032) 144.118,28.032 v1(144.857,27.293)
  Bottom Layer w0.254: Tube5.5@144.249,20.687 144.857,21.295 U27.17@144.857,26.528
T5-3: Rp13.6 Tube5.3 U27.16 | length 22.4
  Top Layer w0.254: v1(138.894,28.832) 145.884,28.832 v1(146.153,28.563)
  Bottom Layer w0.254: Tube5.3@145.802,14.891 144.375,16.318 144.375,18.784 146.127,20.537 U27.16@146.127,26.528 146.127,28.538 v1(146.153,28.563)
T5-4: Rp13.5 Tube5.10 U27.15 | length 35.4
  Top Layer w0.254: v1(138.894,29.782) 147.118,29.782 v1(147.397,29.503)
  Bottom Layer w0.254: Tube5.10@134.211,14.891 132.234,16.868 132.234,20.564 136.245,24.575 139.546,24.575 141.428,26.457 141.428,29.503 141.149,29.782 v1(138.894,29.782) ; U27.15@147.397,26.528 v1(147.397,29.503)
T5-5: Rp14.8 Tube5.9 U27.14 | length 35.6
  Top Layer w0.254: v1(138.894,31.404) 148.17,31.404 v1(148.642,30.931)
  Bottom Layer w0.254: Tube5.9@134.211,17.997 134.211,21.931 136.424,24.143 139.724,24.143 141.86,26.278 141.86,30.926 141.381,31.404 v1(138.894,31.404) ; v1(148.642,30.931) 148.642,26.553 U27.14@148.667,26.528
T5-6: Rp14.7 Tube5.8 U27.13 | length 35.9
  Top Layer w0.254: v1(138.894,32.354) 149.372,32.354 v1(149.658,32.068)
  Bottom Layer w0.254: Tube5.8@135.764,20.687 135.764,22.873 136.577,23.686 139.878,23.686 142.291,26.1 142.291,31.815 141.752,32.354 v1(138.894,32.354) ; v1(149.658,32.068) 149.937,31.789 U27.13@149.937,26.528
T5-7: Rp14.6 Tube5.7 U27.12 | length 35.2
  Top Layer w0.254: v1(138.894,33.154) 150.757,33.154 v1(151.106,32.805)
  Bottom Layer w0.254: Tube5.7@138.453,22.24 139.042,22.24 142.723,25.921 142.723,32.5 142.07,33.154 v1(138.894,33.154) ; v1(151.106,32.805) 151.207,32.703 U27.12@151.207,26.528
T5-8: Rp14.5 Tube5.4 U27.11 | length 32.2
  Top Layer w0.254: v1(138.894,34.104) 152.093,34.104 v1(152.477,33.719)
  Bottom Layer w0.254: Tube5.4@145.802,17.997 145.802,18.23 152.477,24.905 U27.11@152.477,26.528 v1(152.477,33.719)
T6-1: Rp15.8 Tube6.6 U28.18 | length 9.7
  Top Layer w0.254: v1(169.015,27.184) 173.313,27.184 v1(173.432,27.064)
  Bottom Layer w0.254: Tube6.6@171.559,22.24 173.432,24.113 U28.18@173.432,26.651
T6-2: Rp15.7 Tube6.5 U28.17 | length 12.2
  Top Layer w0.254: v1(169.015,28.134) 173.912,28.134 v1(174.702,27.344)
  Bottom Layer w0.254: Tube6.5@174.249,20.687 174.702,21.14 U28.17@174.702,26.651
T6-3: Rp15.6 Tube6.3 U28.16 | length 22.1
  Top Layer w0.254: v1(169.015,28.934) 175.551,28.934 v1(175.972,28.512)
  Bottom Layer w0.254: Tube6.3@175.802,14.891 174.249,16.444 174.249,18.584 175.972,20.308 U28.16@175.972,26.651 v1(175.972,28.512)
T6-4: Rp15.5 Tube6.10 U28.15 | length 33.7
  Top Layer w0.254: v1(169.015,29.884) 176.76,29.884 v1(177.217,29.427)
  Bottom Layer w0.254: Tube6.10@164.211,14.891 162.739,16.363 162.739,20.436 166.98,24.677 169.238,24.677 171.273,26.713 171.273,29.477 170.867,29.884 v1(169.015,29.884) ; v1(177.217,29.427) 177.242,29.401 U28.15@177.242,26.651
T6-5: Rp16.8 Tube6.9 U28.14 | length 34.5
  Top Layer w0.254: v1(169.015,31.505) 178.034,31.505 v1(178.512,31.027)
  Bottom Layer w0.254: Tube6.9@164.211,17.997 164.211,21.297 167.159,24.245 169.416,24.245 171.705,26.534 171.705,31.205 171.404,31.505 v1(169.015,31.505) ; U28.14@178.512,26.651 v1(178.512,31.027)
T6-6: Rp16.7 Tube6.8 U28.13 | length 34.8
  Top Layer w0.254: v1(169.015,32.456) 179.268,32.456 v1(179.782,31.941)
  Bottom Layer w0.254: Tube6.8@165.764,20.687 165.764,22.088 167.489,23.813 169.595,23.813 172.137,26.355 172.137,32.017 171.699,32.456 v1(169.015,32.456) ; U28.13@179.782,26.651 v1(179.782,31.941)
T6-7: Rp16.6 Tube6.7 U28.12 | length 34.4
  Top Layer w0.254: v1(169.015,33.256) 180.525,33.256 v1(181.052,32.729)
  Bottom Layer w0.254: Tube6.7@168.453,22.24 168.632,22.24 172.569,26.176 172.569,32.779 172.093,33.256 v1(169.015,33.256) ; U28.12@181.052,26.651 v1(181.052,32.729)
T6-8: Rp16.5 Tube6.4 U28.11 | length 31.9
  Top Layer w0.254: v1(169.015,34.206) 181.811,34.206 v1(182.322,33.694)
  Bottom Layer w0.254: Tube6.4@175.802,17.997 182.322,24.517 U28.11@182.322,26.651 v1(182.322,33.694)
TX1: U1.30 U16.3 | length 72.9
  Top Layer w0.254: U1.30@129.359,53.593 129.359,55.189 v1(129.389,55.218)
  Bottom Layer w0.254: v1(62.028,52.358) 67.261,57.591 90.086,57.591 91.141,56.536 98.704,56.536 99.596,57.427 126.563,57.427 128.478,55.512 129.095,55.512 v1(129.389,55.218)
UD+: P1.1 U16.5 | length 23
  Top Layer w0.254: U16.5@64.568,52.358 64.568,50.939 65.532,49.975 80.645,49.975 P1.1@84.234,53.564
UD-: P1.2 U16.6 | length 23.5
  Top Layer w0.254: U16.6@65.838,52.358 65.838,50.939 66.294,50.483 80.481,50.483 82.804,52.807 82.804,54.574 P1.2@84.334,56.104
USB-Ctl: R9.1 U1.29 | length 18.4
  Top Layer w0.254: R9.1@114.3,54.518 118.265,54.518 120.471,52.312 v1(122.023,52.312) ; v1(129.643,51.793) 129.859,52.01 U1.29@129.859,53.593
  Bottom Layer w0.254: v1(122.023,52.312) 122.531,51.804 v1@129.643,51.804
USB_N: R6.1 U1.32 | length 4.5
  Top Layer w0.254: R6.1@127.865,57.861 127.865,55.638 128.359,55.144 U1.32@128.359,53.593
USB_P: R5.2 R11.2 U1.33 | length 16.5
  Top Layer w0.254: R11.2@113.891,56.152 126.616,56.152 127.859,54.908 U1.33@127.859,53.593
  Top Layer w0.381: R11.2@114.22,56.686 R11.2@114.735,56.172
pads on no net: *1.3 *1.4 BT1.0 J1. J1.4 J2.3 J2.4 Rp2.4 Rp3.1 Rp4.1 U1.2 U1.3 U1.4 U1.10 U1.15 U1.18 U1.20 U1.25 U1.26 U1.45 U5.1 U5.2 U5.3 U5.4 U5.5 U5.6 U5.7 U5.10 U5.11 U5.13 U5.14 U12.2 U14.7 U15.5 U15.7 U16.7 U16.8 U16.9 U16.10 U16.11 U16.12 U16.13 U16.14 U16.15 U22.9 U29.1 U29.4

## Polygon pours and split planes (outlines as drawn)
GND on Bottom Layer "Bottom Layer-No Net" (solid, remove dead copper, pour order 2): -0.164,65.234 189.853,65.234 189.853,0.234 -0.164,0.234
GND on Top Layer "Bottom Layer-No Net" (solid, remove dead copper, pour order 4): -0.127,64.719 189.89,64.719 189.89,-0.281 -0.127,-0.281

## Other copper
Top Layer:
  pour cut-out: 167.792,58.445 167.792,40.691 159.715,40.691 159.715,58.445

## Silkscreen, mask and mechanical layers (free items; w line width, h text height)
Top Overlay:
  circle w0.203: c94.997,9.922 r2.5
  lines w0.178: 84.328,54.889 84.334,54.889 91.954,54.889
  lines w0.203: 94.997,60.066 94.997,64.232
  text "USB" at 83.083,52.807 h1.52 r90
  text "UART" at 94.412,52.222 h1.52 r90
  text "JLCJLCJLC" at 144.018,51.054 h0.8
Bottom Overlay:
  text "3V3" at 170.012,55.258 h1.52 r90
  text "CLK" at 172.544,55.258 h1.52 r90
  text "GND" at 175.075,55.258 h1.52 r90
  text "IO" at 177.607,55.258 h1.52 r90
Bottom Paste:
Bottom Solder:
  text "2019-12" at 180.5,3.07 h1.78
Mechanical 1:
  circle w0.254: c20.006,16.444 r11.25
  circle w0.254: c50.006,16.444 r11.25
  circle w0.254: c140.006,16.444 r11.25
  circle w0.254: c170.006,16.444 r11.25
  circle w0.254: c80.006,16.444 r11.25
  circle w0.254: c110.006,16.444 r11.25
  circle w0.254: c95.006,16 r1.55
  lines w0.254: 0,3 ccw(c3,3) 3,0 187,0 ccw(c187,3) 190,3 190,57 ccw(c187,57) 187,60 101.519,60 cw(c101.519,61) 100.519,61 100.519,64 ccw(c99.519,64) 99.519,65 90.5,65 ccw(c90.5,64) 89.5,64 89.5,61 cw(c88.5,61) 88.5,60 3,60 ccw(c3,57) 0,57 0,3